# KiCad board cpu-blitter-inputs.kicad_pcb (continued)
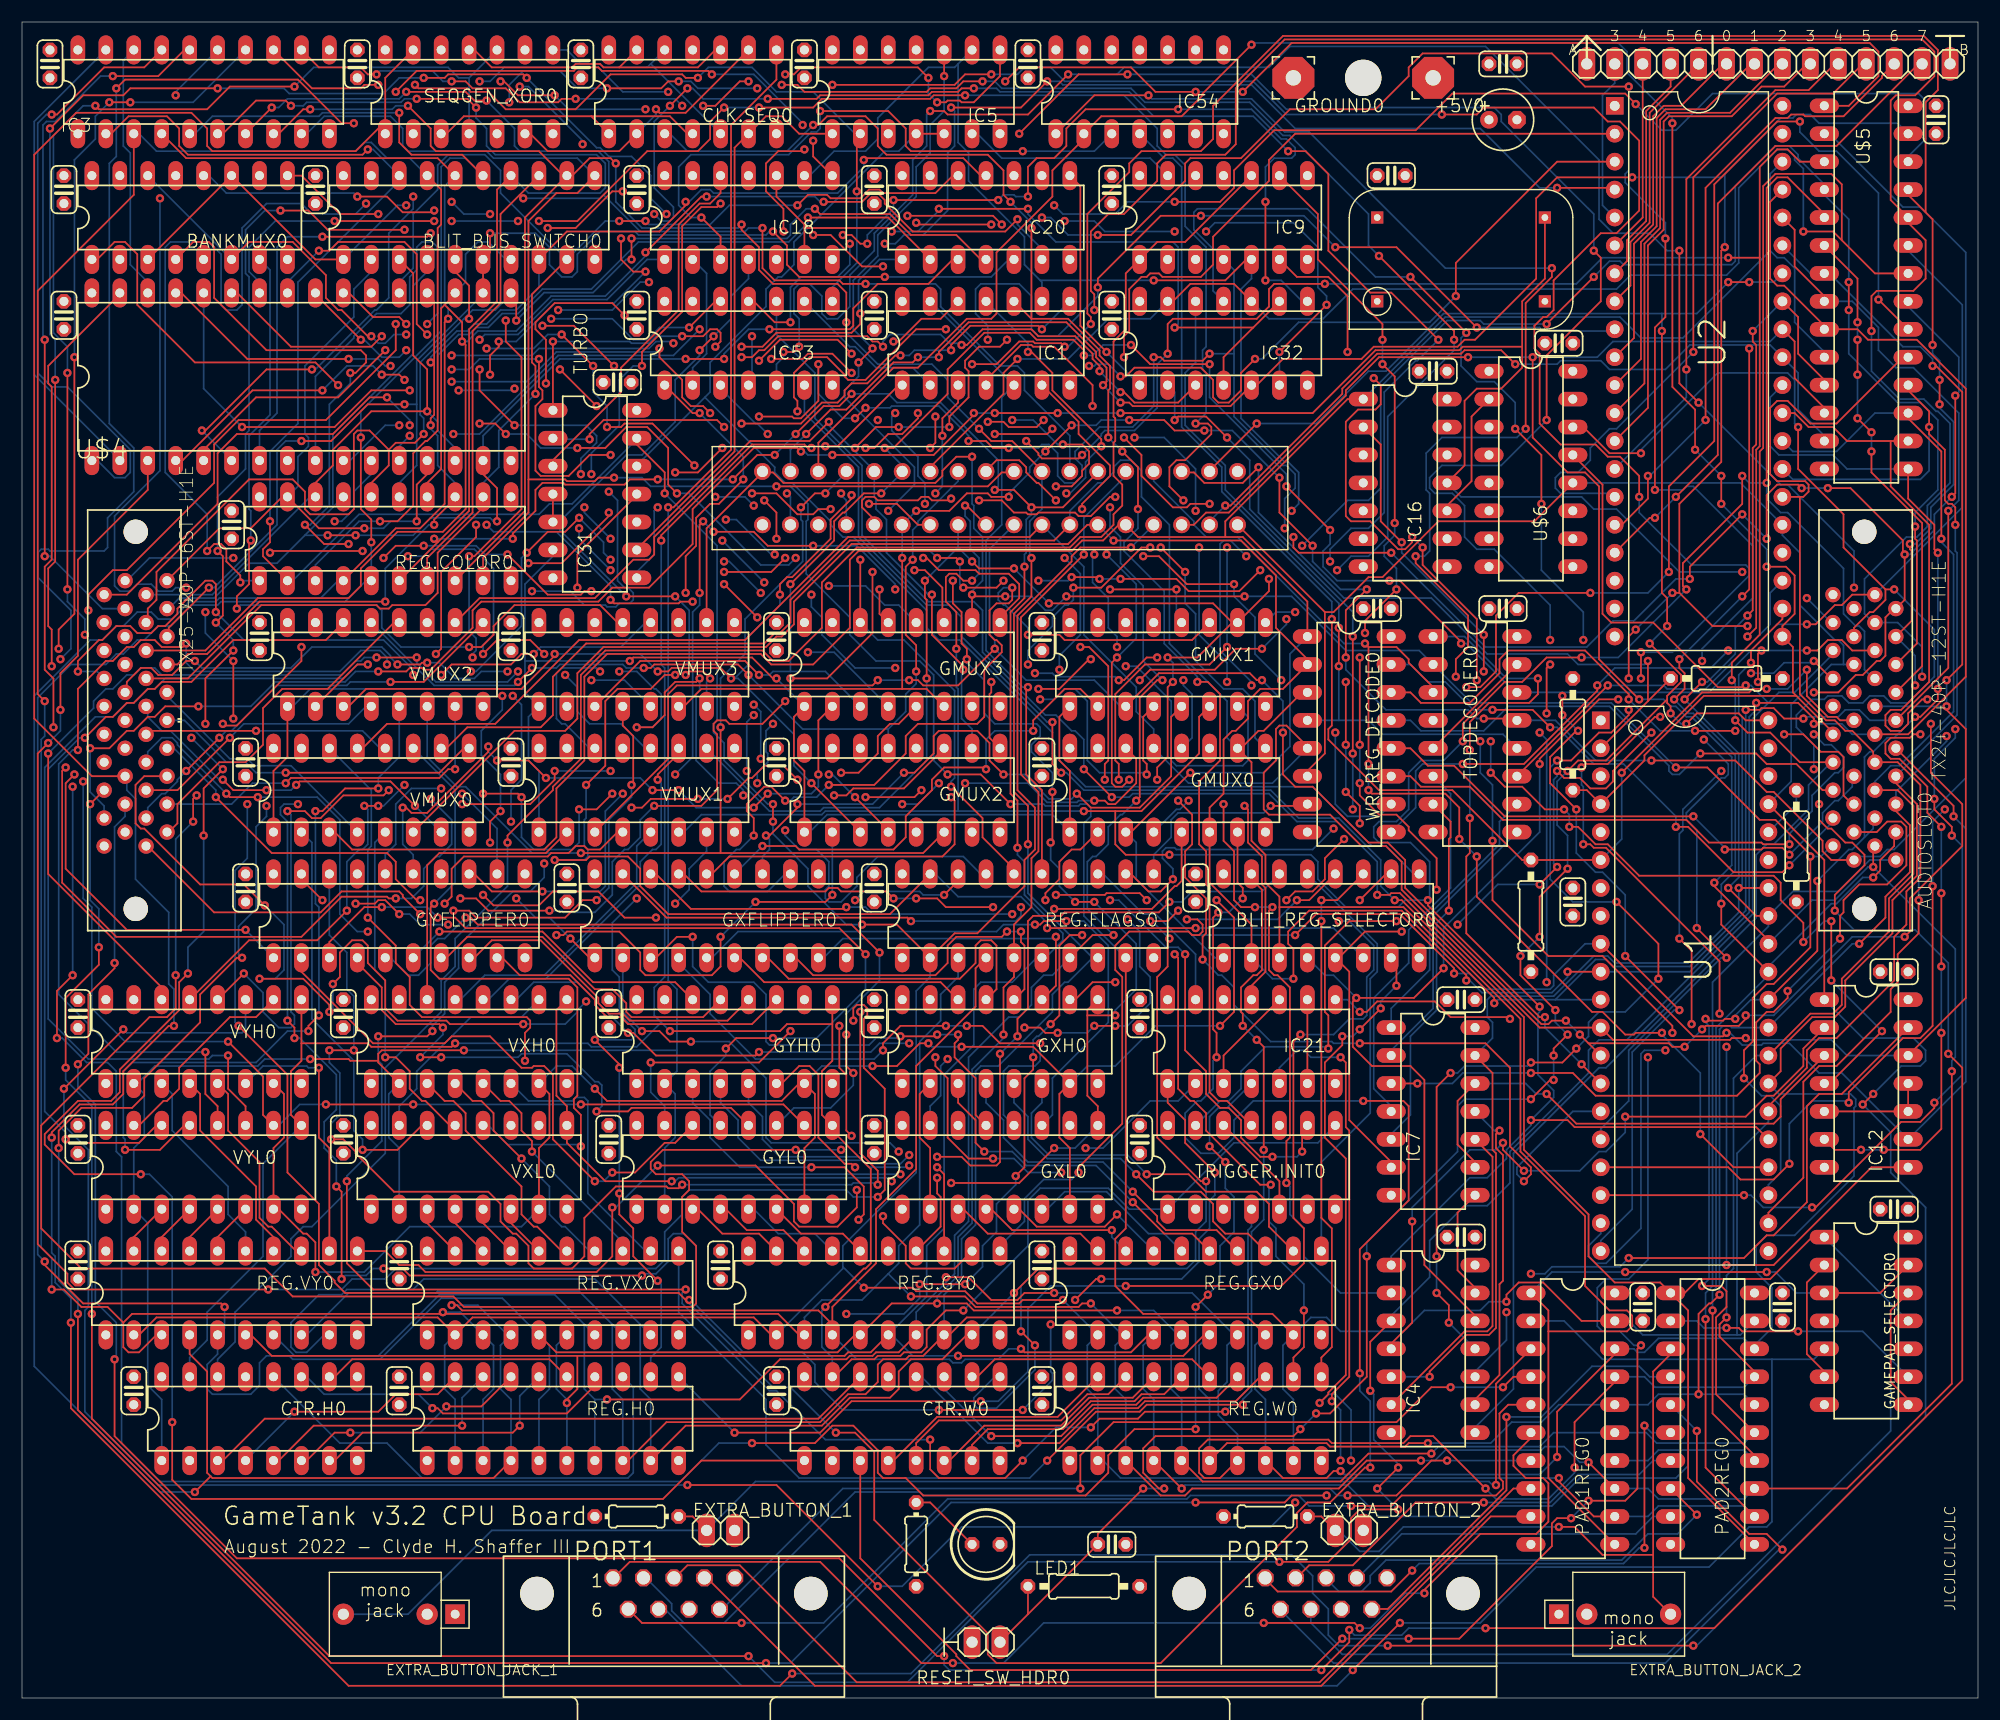
[diagram p0: board, top side]
## Nets (continued)
DD5: BLIT_BUS_SWITCH0.7 IC20.6 J2.35 REG.COLOR0.14 U$4.19
DD6: BLIT_BUS_SWITCH0.8 IC20.11 J2.34 REG.COLOR0.13 U$4.20
DD7: BLIT_BUS_SWITCH0.9 IC20.12 J2.33 REG.COLOR0.12 U$4.21
DMAMODE: BLIT_REG_SELECTOR0.6 IC18.4 IC31.4 IC31.5 REG.FLAGS0.19
GA14: GXFLIPPER0.12 U$4.3
GA15: GYFLIPPER0.12 U$4.31
GA16: IC3.19 U$4.2
GA17: IC3.18 U$4.30
GA18: IC3.17 U$4.1
GRAM_PAGE_SEL: IC3.11 WR_REG_DECODE0.10
GX-CARRY: GXH0.10 IC1.6
GX-CARRY?: GXL0.15 IC1.4
GY-CARRY: GYH0.10 IC1.11
GY-CARRY?: GYL0.15 IC1.12
IRQ: IC9.9 IC21.12
IRQ-ENABLE: IC21.13 REG.FLAGS0.13
N$1: GMUX0.4 U$4.12
N$2: GMUX0.7 U$4.11
N$3: GMUX0.9 U$4.10
N$4: GMUX0.12 U$4.9
N$5: GMUX1.4 U$4.8
N$6: GMUX1.7 U$4.7
N$7: GMUX1.9 U$4.6
N$8: GMUX2.4 U$4.5
N$9: GMUX2.7 U$4.27
N$10: GMUX2.9 U$4.26
N$11: GMUX2.12 U$4.23
N$12: GMUX3.4 U$4.25
N$13: GMUX3.7 U$4.4
N$14: GMUX3.9 U$4.28
N$15: IC18.11 VMUX1.14
N$16: IC31.1 IC32.3
N$17: GMUX1.12 U$4.29
N$18: GMUX3.12 U$4.24
N$19: GYL0.3 REG.GY0.19
N$20: GYL0.4 REG.GY0.18
N$21: GYL0.5 REG.GY0.17
N$22: GYL0.6 REG.GY0.16
N$23: GXH0.3 REG.GX0.15
N$24: GXH0.4 REG.GX0.14
N$25: GXH0.5 REG.GX0.13
N$26: GYH0.3 REG.GY0.15
N$27: GXL0.3 REG.GX0.19
N$28: GXL0.4 REG.GX0.18
N$29: GXL0.5 REG.GX0.17
N$30: GXL0.6 REG.GX0.16
N$31: GYH0.4 REG.GY0.14
N$32: GYH0.5 REG.GY0.13
N$33: IC18.3 IC54.3
N$34: IC12.8 IC53.11
N$35: REG.VY0.15 VYH0.3
N$36: REG.VY0.14 VYH0.4
N$37: REG.VY0.13 VYH0.5
N$37_2: IC7.5 TOPDECODER0.7
N$38: IC18.2 IC53.2
N$38_2: IC7.4 TOPDECODER0.6
N$39: IC1.8 IC31.2
N$39_2: TOPDECODER0.5 TOPDECODER0.15
N$40: IC18.13 IC21.8
N$41: IC5.8 REG.COLOR0.1
N$42: GXFLIPPER0.5 GXL0.11
N$43: GXFLIPPER0.4 GXL0.12
N$44: IC21.6 IC21.9
N$45: IC21.3 IC21.10
N$46: IC18.12 IC31.3
N$47: GXFLIPPER0.3 GXL0.13
N$48: GXFLIPPER0.2 GXL0.14
N$49: GXFLIPPER0.6 GXH0.14
N$50: BANKMUX0.4 VMUX1.13
N$51: CTR.H0.4 REG.H0.19
N$52: CTR.H0.5 REG.H0.18
N$53: CTR.H0.6 REG.H0.17
N$54: CTR.H0.7 REG.H0.16
N$55: CTR.H0.10 REG.H0.15
N$56: CTR.H0.11 REG.H0.14
N$57: CTR.H0.12 REG.H0.13
N$58: IC31.10 TRIGGER.INIT0.9
N$59: CTR.W0.4 REG.W0.19
N$60: CTR.W0.5 REG.W0.18
N$61: CTR.W0.6 REG.W0.17
N$62: CTR.W0.7 REG.W0.16
N$63: CTR.W0.10 REG.W0.15
N$64: CTR.W0.11 REG.W0.14
N$65: CTR.W0.12 REG.W0.13
N$66: IC20.8 IC32.1
N$67: BANKMUX0.7 VMUX3.13
N$68: GXFLIPPER0.7 GXH0.13
N$69: BANKMUX0.9 GMUX1.13
N$70: BANKMUX0.12 GMUX3.13
N$71: BLIT_REG_SELECTOR0.15 REG.VX0.11
N$72: GXFLIPPER0.8 GXH0.12
N$73: GYFLIPPER0.2 GYL0.14
N$74: GYFLIPPER0.3 GYL0.13
N$75: GYFLIPPER0.4 GYL0.12
N$76: GYFLIPPER0.5 GYL0.11
N$77: GYFLIPPER0.6 GYH0.14
N$78: GYFLIPPER0.7 GYH0.13
N$79: GYFLIPPER0.8 GYH0.12
N$80: GYFLIPPER0.1 IC53.4
N$81: GXFLIPPER0.1 IC53.12
N$82: IC9.4 IC31.8 TRIGGER.INIT0.13
N$83: REG.VX0.12 VXH0.6
N$84: REG.VY0.12 VYH0.6
N$85: GXFLIPPER0.9 GXH0.11
N$86: IC7.2 TOPDECODER0.9
N$87: CTR.W0.9 IC5.3
N$88: IC5.6 IC9.13
N$89: GYFLIPPER0.9 GYH0.11
N$90: IC7.1 TOPDECODER0.10
N$94: BLIT_REG_SELECTOR0.14 REG.VY0.11
N$96: BLIT_REG_SELECTOR0.13 REG.GX0.11
N$98: BLIT_REG_SELECTOR0.12 REG.GY0.11
N$100: IC4.13 IC7.8
N$101: IC4.9 IC7.11
N$102: IC7.9 IC7.12 IC12.3
N$103: U2.10 VIAPORT0.6
N$104: U2.11 VIAPORT0.7
N$105: U2.14 VIAPORT0.10
N$106: U2.15 VIAPORT0.11
N$107: U2.16 VIAPORT0.12
N$108: BLIT_REG_SELECTOR0.11 REG.W0.11
N$109: U2.17 VIAPORT0.13
N$110: U2.12 VIAPORT0.8
N$111: BLIT_REG_SELECTOR0.10 REG.H0.11
N$112: U2.13 VIAPORT0.9
N$113: REG.VY0.19 VYL0.3
N$114: REG.VY0.18 VYL0.4
N$115: REG.VY0.17 VYL0.5
N$116: REG.VY0.16 VYL0.6
N$117: REG.VX0.15 VXH0.3
N$118: REG.VX0.14 VXH0.4
N$119: REG.VX0.13 VXH0.5
N$120: U2.5 VIAPORT0.2
N$121: REG.VX0.19 VXL0.3
N$122: REG.VX0.18 VXL0.4
N$123: REG.VX0.17 VXL0.5
N$124: REG.VX0.16 VXL0.6
N$125: BLIT_REG_SELECTOR0.7 REG.COLOR0.11
N$126: U2.6 VIAPORT0.3
N$127: U2.7 VIAPORT0.4
N$128: U2.8 VIAPORT0.5
N$129: IC12.6 IC53.5
N$130: LED1.A R16.2
N$131: GAMEPAD_SELECTOR0.8 GAMEPAD_SELECTOR0.12
N$132: GAMEPAD_SELECTOR0.9 PAD2REG0.2 PORT2.7
N$133: GAMEPAD_SELECTOR0.2 GAMEPAD_SELECTOR0.6
N$134: GAMEPAD_SELECTOR0.5 PAD1REG0.2 PORT1.7
N$135: PAD1REG0.4 PORT1.9
N$136: PAD1REG0.5 PORT1.6
N$137: PAD1REG0.6 PORT1.1
N$138: PAD1REG0.7 PORT1.2
N$139: PAD1REG0.8 PORT1.3
N$140: PAD1REG0.9 PORT1.4
N$141: PAD2REG0.6 PORT2.1
N$142: PAD2REG0.7 PORT2.2
N$143: PAD2REG0.8 PORT2.3
N$144: PAD2REG0.9 PORT2.4
N$145: PAD2REG0.4 PORT2.9
N$146: PAD2REG0.5 PORT2.6
N$147: EXTRA_BUTTON_1.1 EXTRA_BUTTON_JACK_1.WAV PAD1REG0.3 R7.2
N$148: EXTRA_BUTTON_2.1 EXTRA_BUTTON_JACK_2.WAV PAD2REG0.3 R6.2
N$149: IC4.10 IC12.13
N$150: GXH0.6 REG.GX0.12
N$151: GYH0.6 REG.GY0.12
N$152: IC4.11 IC32.11
N$153: IC12.5 IC12.10 IC12.11
N$154: IC12.4 IC16.2
N$160: VMUX0.5 VXL0.13
N$161: VMUX0.11 VXL0.12
N$162: VMUX0.14 VXL0.11
N$163: VMUX1.2 VXH0.14
N$164: VMUX1.5 VXH0.13
N$165: VMUX1.11 VXH0.12
N$167: VMUX2.5 VYL0.13
N$168: VMUX2.11 VYL0.12
N$169: VMUX2.14 VYL0.11
N$170: VMUX3.2 VYH0.14
N$171: VMUX3.5 VYH0.13
N$172: VMUX3.11 VYH0.12
N$173: GMUX0.2 GXFLIPPER0.19
N$174: GMUX0.5 GXFLIPPER0.18
N$175: GMUX0.11 GXFLIPPER0.17
N$176: GMUX0.14 GXFLIPPER0.16
N$177: GMUX1.2 GXFLIPPER0.15
N$178: GMUX1.5 GXFLIPPER0.14
N$179: GMUX1.11 GXFLIPPER0.13
N$180: GMUX2.2 GYFLIPPER0.19
N$181: GMUX2.5 GYFLIPPER0.18
N$182: GMUX2.11 GYFLIPPER0.17
N$183: GMUX2.14 GYFLIPPER0.16
N$184: GMUX3.2 GYFLIPPER0.15
N$185: GMUX3.5 GYFLIPPER0.14
N$186: GMUX3.11 GYFLIPPER0.13
N$222: BLIT_BUS_SWITCH0.19 IC18.8
OFFSCR_X: IC21.2 VXH0.11
OFFSCR_Y: IC21.5 VYH0.11
P0: CLK.SEQ0.11 CTR.W0.1
P1: CLK.SEQ0.8 CTR.H0.1 GXH0.2 GXL0.2 GYH0.2 GYL0.2 VXH0.2 VXL0.2 VYH0.2 VYL0.2
P2: CLK.SEQ0.6 IC5.1 IC31.9
P3: CLK.SEQ0.3 IC1.10 TRIGGER.INIT0.11
R/~{W}: IC4.5 IC7.13 U1.34 U2.22
RAM_PG_0: IC3.13 U$5.26
RAM_PG_1: IC3.12 U$5.1
READY: R1.1 U1.2 U$3.P$34
ROWCOMPLETE: GYL0.10 IC5.2 IC53.8 VYL0.10
RUNNING: GXH0.7 GXL0.7 GYH0.7 GYL0.7 IC1.9 IC5.9 IC9.5 IC18.9 VXH0.7 VXL0.7 VYH0.7 VYL0.7
SEQGEN_HIGH: CLK.SEQ0.2 CLK.SEQ0.9 SEQGEN_XOR0.6
SEQGEN_LOW: CLK.SEQ0.1 CLK.SEQ0.4 SEQGEN_XOR0.3
SPI_CLK: U2.2 U$3.P$5
SPI_MISO: U2.9 U$3.P$3
SPI_MOSI: U2.3 U$3.P$4
TRIGGER-FLAG: TRIGGER.INIT0.5 TRIGGER.INIT0.12
TRIGGER-SELECT: BLIT_REG_SELECTOR0.9 IC5.4 IC5.5 IC31.12
V/_G: BANKMUX0.1 REG.FLAGS0.14
VA0: J2.32 VMUX0.4
VA1: J2.31 VMUX0.7
VA2: J2.30 VMUX0.9
VA3: J2.29 VMUX0.12
VA4: J2.28 VMUX1.4
VA5: J2.27 VMUX1.7
VA6: J2.26 VMUX1.9
VA7: J2.25 VMUX2.4
VA8: J2.24 VMUX2.7
VA9: J2.23 VMUX2.9
VA10: J2.22 VMUX2.12
VA11: J2.21 VMUX3.4
VA12: J2.20 VMUX3.7
VA13: J2.19 VMUX3.9
VG_OE: BANKMUX0.6 BANKMUX0.14 IC32.8
VG_WE: BANKMUX0.3 BANKMUX0.11 BLIT_BUS_SWITCH0.1 IC32.6
VID_OUT_PAGE: J2.17 REG.FLAGS0.18
VIDFLAGS: REG.FLAGS0.11 WR_REG_DECODE0.7
VNMI: IC18.1 J2.10
VNMI_ENABLE: IC53.1 REG.FLAGS0.17
VRAMBANK: IC3.16 J2.18
VX-CARRY: VXH0.10 VXL0.15
VY-CARRY: VYH0.10 VYL0.15
W/~{R}: IC4.6 IC7.10
XDIR: IC53.13 REG.W0.12
XODD: VMUX0.2 VXL0.14
YDIR: IC53.3 REG.H0.12
YODD: VMUX2.2 VYL0.14
~{AUD_NMI}: AUDIOSLOT0.16 WR_REG_DECODE0.14
~{CLK7}: IC4.4 IC12.2
~{CLK28}: IC16.10 U$6.2
~{COPYDONE}: CTR.H0.14 IC9.1 IC9.10
~{DIRECT-SELECT}: IC18.6 IC18.10 IC32.4 IC32.9
~{DMAMODE}: GMUX0.1 GMUX1.1 GMUX2.1 GMUX3.1 IC31.6 VMUX0.1 VMUX1.1 VMUX2.1 VMUX3.1
~{GAMEPAD1R}: GAMEPAD_SELECTOR0.3 GAMEPAD_SELECTOR0.13 IC53.6 PAD1REG0.1 PAD1REG0.11
~{GAMEPAD2R}: GAMEPAD_SELECTOR0.1 GAMEPAD_SELECTOR0.11 IC53.10 PAD2REG0.1 PAD2REG0.11
~{INIT}: CTR.H0.15 CTR.W0.15 GYH0.9 GYL0.9 IC1.1 TRIGGER.INIT0.1 TRIGGER.INIT0.8 VYH0.9 VYL0.9
~{IRQ-OUT}: IC21.11 IC54.1
~{IRQ}: AUDIOSLOT0.11 IC54.2 R4.2 U1.4 U2.21 U$3.P$21
~{NMI}: AUDIOSLOT0.10 IC54.4 R3.2 U1.6
~{RAMSEL}: TOPDECODER0.4 U$5.20
~{RE2}: AUDIOSLOT0.13 IC4.8 IC32.10 IC32.13 U$3.P$25 U$5.22
~{REGSSEL}: IC32.12 TOPDECODER0.12 WR_REG_DECODE0.4
~{RESET}: C47.1 R2.2 RESET_SW_HDR0.2 U1.40 U2.34 U$3.P$35
~{ROWCOMPLETE}: CTR.H0.3 CTR.W0.14 IC1.2 IC53.9
~{RUNNING}: CTR.W0.3 IC9.6
~{SEQGEN_HIGH}: CLK.SEQ0.5 CLK.SEQ0.12 SEQGEN_XOR0.8
~{SEQGEN_LOW}: CLK.SEQ0.10 CLK.SEQ0.13 SEQGEN_XOR0.11
~{SPI_CS}: U2.4 U$3.P$2
~{TILEMODE}: IC1.5 IC1.13 REG.FLAGS0.15
~{TRANSEN}: IC32.2 REG.FLAGS0.12
~{TRIGGER}: IC31.11 TRIGGER.INIT0.4
~{VIASEL}: TOPDECODER0.11 U2.23
~{VID_SEL}: BLIT_REG_SELECTOR0.5 IC7.6 IC18.5
~{VOE}: J2.13 VMUX3.12
~{VWE}: J2.12 VMUX1.12
~{WAV_SEL}: AUDIOSLOT0.18 IC7.3
~{WE2}: AUDIOSLOT0.12 BLIT_REG_SELECTOR0.4 IC4.12 IC32.5 U$3.P$20 U$5.27
~{WRAP_X}: IC3.15 IC21.1
~{WRAP_Y}: IC3.14 IC21.4
~{XRELOAD}: GXH0.9 GXL0.9 IC1.3 VXH0.9 VXL0.9

Pads without a net: AUDIOSLOT0 8 41 42; EXTRA_BUTTON_JACK_1 SW; EXTRA_BUTTON_JACK_2 SW; GXH0 15; GYH0 15; IC5 11 12 13; IC9 8; IC16 3 4 5 6 8 9 12 13; IC20 9 10 13; IC54 5 6 8 9 10 11 12 13; J2 7 8 9 11 14 15 16 41 42; TRIGGER.INIT0 6; U1 1 3 5 7 35 39; U2 18 19 39 40; U$2 P$1; U$6 11 15; VXH0 15; VYH0 15

## Via types
v1: diameter 0.756, hole 0.35, Top to Bottom, 1509 vias

## Routing (per net, layer and track width the routed paths; a pad name or vN(x,y) marks a point on that pad's centre or on a via; arc(x,y) is an arc through that point)
_CARTSEL: length 99.1
  Top w0.152: v1(109.22,81.28) 109.22,77.95 110.17,76.99 110.17,72.55 110.81,71.91 v1(112.08,71.91) ; v1(93.98,108.9) 92.39,110.49 92.23,110.49 91.28,111.44 91.28,111.92 90.65,112.55 88.58,112.55 87.63,111.6 U$3.P$27 ; v1(113.66,71.91) 113.35,71.6 113.35,66.2 113.82,65.72 114.14,65.72 115.25,64.61 115.25,50.96 114.94,50.64 v1(114.94,46.83)
  In1.Cu w0.152: v1(93.98,108.9) 93.98,106.52 94.93,105.57 95.88,105.57 v1(97.47,103.98)
  In2.Cu w0.152: v1(109.22,81.28) 109.22,83.82 104.14,88.9 104.14,90.96 v1(99.54,95.57)
  Bottom w0.152: v1(112.08,71.91) v1(113.66,71.91) ; v1(99.54,95.57) 99.54,96.52 98.74,97.31 98.74,100.01 97.31,101.44 97.31,103.82 v1(97.47,103.98) ; IC4.2 119.86,36.83 116.52,40.16 116.52,42.7 115.25,43.97 115.25,46.51 v1(114.94,46.83)
A0: length 366.5
  Top w0.152: v1(175.58,80.17) 175.58,81.12 170.34,86.36 AUDIOSLOT0.32 ; WR_REG_DECODE0.1 116.84,99.69 110.97,105.57 109.38,105.57 ; v1(130.18,65.88) 130.18,66.36 125.25,71.28 117.63,71.28 v1(115.73,69.37) ; v1(106.2,84.14) 100.81,78.74 GMUX0.3 ; 109.38,105.57 109.38,107 120.49,118.11 IC16.1 ; 109.38,105.57 101.44,105.57 U$3.P$14 99.69,106.68 98.27,105.25 96.36,105.25 95.41,104.3 76.04,104.3 75.25,103.5 75.25,97.31 71.91,93.98 68.1,93.98 67.15,94.93 53.18,94.93 51.12,92.87 51.12,85.25 48.58,82.71 48.58,78.26 47.47,77.15 30,77.15 28.42,78.74 VMUX0.3 ; U1.9 151.92,60.17 154.62,60.17 v1(154.94,60.48)
  Bottom w0.152: 106.36,69.37 v1(115.73,69.37) ; 106.36,69.37 108.43,67.31 BLIT_REG_SELECTOR0.1 ; 106.36,69.37 101.28,74.45 101.28,77.79 GMUX0.3 ; U$5.10 163.83,122.4 161.13,125.09 161.13,130.02 160.18,130.97 159.54,130.97 158.91,131.6 ; v1(130.18,65.88) 131.6,65.88 133.03,64.45 138.91,64.45 139.22,64.77 139.22,65.72 142.08,68.58 U1.9 ; U2.38 158.91,138.59 158.91,131.6 ; 158.91,131.6 150.97,123.67 147.16,123.67 145.26,125.57 129.38,125.57 IC16.1 ; v1(154.94,60.48) 155.26,60.48 156.37,59.37 158.12,59.37 158.27,59.53 160.66,59.53 163.35,56.83 165.42,56.83 IC12.9 176.69,56.04 176.69,79.06 v1(175.58,80.17) ; v1(106.2,84.14) 112.87,84.14 115.25,86.52 115.25,94.93 WR_REG_DECODE0.1
A1: length 295.4
  Top w0.152: VMUX0.6 44.77,87.95 49.37,87.95 50.48,89.06 50.48,93.19 52.86,95.57 67.63,95.57 68.58,96.52 69.06,96.52 70.17,97.63 70.17,99.69 75.41,104.93 95.09,104.93 96.84,106.68 U$3.P$13 ; v1(115.57,65.41) 115.57,68.1 115.09,68.58 115.09,69.69 117,71.6 125.41,71.6 131.29,65.72 v1(131.29,65.25) ; v1(99.22,105.25) 110.81,105.25 113.98,102.08 113.98,97.31 116.84,94.46 WR_REG_DECODE0.2 114.62,91.76 112.55,91.76 111.44,90.65 111.44,89.06 110.33,87.95 110.01,87.95 109.22,87.15 109.22,82.23 107.95,80.96 GMUX0.6 107.95,74.14 111.76,70.33 BLIT_REG_SELECTOR0.2 ; v1(157.64,90.49) 161.45,90.49 162.88,89.06 v1(162.88,88.58) ; v1(140.49,66.04) U1.10 ; AUDIOSLOT0.31 171.45,87.63 176.69,92.87 176.69,119.06 172.24,123.51 167.8,123.51 166.85,124.46 U$5.9 163.83,124.78 160.18,128.43 159.54,128.43 158.91,129.06 158.91,136.05 U2.37
  Bottom w0.152: v1(131.29,65.25) 131.6,65.25 132.72,64.13 139.06,64.13 140.49,65.56 v1(140.49,66.04) ; U$3.P$13 v1(99.22,105.25) ; v1(115.57,65.41) 113.66,65.41 BLIT_REG_SELECTOR0.2 ; v1(162.88,88.58) 165.42,88.58 166.37,87.63 AUDIOSLOT0.31 ; U1.10 151.61,66.04 157,71.44 157,89.22 157.64,89.85 v1(157.64,90.49)
A2: length 281.7
  Top w0.152: 110.65,86.2 GMUX0.10 ; 110.65,86.2 111.76,85.09 111.76,77.95 113.03,76.68 113.03,74.14 114.3,72.87 114.3,71.91 ; 110.65,86.2 112.4,87.95 112.87,87.95 116.36,91.44 WR_REG_DECODE0.3 ; U$5.8 163.83,127.48 161.13,130.18 161.13,133.51 U2.36 ; 114.3,71.91 BLIT_REG_SELECTOR0.3 ; 114.3,71.91 125.57,71.91 133.83,63.66 v1(133.83,63.18) ; U$3.P$12 93.82,105.25 75.25,105.25 69.85,99.85 69.85,97.79 68.9,96.84 68.42,96.84 67.47,95.88 51.28,95.88 48.26,92.87 48.26,89.38 47.15,88.27 40.48,88.27 38.58,86.36 VMUX0.10 ; v1(175.1,107.95) 175.1,93.66 170.34,88.9 AUDIOSLOT0.30 ; v1(156.69,89.85) 157.96,89.85 158.12,90.01 159.23,90.01 160.18,89.06 v1(161.93,89.06)
  Bottom w0.152: U$5.8 166.37,127 168.75,124.62 168.75,122.55 170.34,120.97 171.93,120.97 176.05,116.84 176.05,108.9 v1(175.1,107.95) ; v1(156.69,89.85) 156.69,71.6 151.61,66.52 144.62,66.52 143.99,67.15 143.03,67.15 139.38,63.5 ; 139.38,63.5 134.14,63.5 v1(133.83,63.18) ; 139.38,63.5 U1.11 ; AUDIOSLOT0.30 167.96,88.9 167,89.85 165.73,89.85 165.1,89.22 162.08,89.22 v1(161.93,89.06) ; U$3.P$12 95.25,107.95 97.79,110.49 98.27,110.49 99.22,111.44 99.22,111.92 99.85,112.55 100.81,112.55 101.76,111.6 101.76,109.22 104.3,106.68 104.3,95.88 109.54,90.65 109.54,87.31 GMUX0.10
A3: length 285.5
  Top w0.152: v1(156.69,60.01) 155.42,60.01 155.26,59.85 144.62,59.85 U1.12 137.95,60.96 125.41,73.5 125.41,76.04 123.98,77.47 121.76,77.47 118.9,80.33 113.35,80.33 112.87,80.8 112.87,84.14 113.98,85.25 113.98,88.11 114.3,88.42 114.94,88.42 116.84,86.52 WR_REG_DECODE0.5 ; U$3.P$11 91.6,105.57 75.09,105.57 65.72,96.2 50.64,96.2 43.02,88.58 33.18,88.58 30.96,86.36 VMUX0.13 ; v1(173.67,121.13) 173.99,121.13 176.37,118.75 176.37,93.98 v1(174.94,92.55) ; v1(174.94,90.17) 174.94,89.85 176.69,88.11 176.69,63.66 IC12.12
  Bottom w0.152: U2.35 162.56,129.54 U$5.7 164.31,129.54 170.97,122.87 172.56,122.87 173.67,121.76 v1(173.67,121.13) ; U$3.P$11 96.52,102.87 96.52,96.68 101.28,91.92 101.28,89.69 102.87,88.11 GMUX0.13 106.04,83.18 113.66,83.18 WR_REG_DECODE0.5 ; v1(174.94,92.55) v1(174.94,90.17) AUDIOSLOT0.29 ; v1(156.69,60.01) 156.84,59.85 164.47,59.85 165.89,58.42 IC12.12
A4: length 243.7
  Top w0.152: U$5.6 166.85,129.06 v1(166.85,125.09) ; v1(173.51,88.58) 173.51,84.14 176.37,81.28 176.37,77.47 171.61,72.71 171.61,69.69 v1(171.13,69.21) ; v1(168.12,115.09) v1(166.85,116.36) ; v1(112.71,92.55) 112.24,92.55 111.6,93.19 103.35,93.19 GMUX1.3 ; v1(166.85,120.33) v1(166.85,123.51) ; v1(152.72,60.8) 153.03,61.12 156.05,61.12 156.69,61.75 v1(156.69,62.07) ; v1(88.42,95.41) 85.09,92.07 81.91,92.07 81.44,92.55 v1(80.65,92.55) ; v1(168.12,113.35) 168.12,111.44 172.72,106.84 172.72,93.82 170.34,91.44 AUDIOSLOT0.28 ; v1(141.6,60.32) 142.4,59.53 ; 142.4,59.53 149.7,59.53 150.02,59.21 v1(151.13,59.21) ; 142.4,59.53 U1.13 ; v1(140.34,61.59) 139.06,61.59 138.75,61.28 138.11,61.28 125.73,73.66 125.73,76.2 124.14,77.79 122.4,77.79 117.32,82.87 115.73,82.87 114.62,83.98 v1(114.62,87.79) ; v1(77.79,92.55) 77.31,92.07 59.53,92.07 58.74,91.28 58.74,85.41 VMUX1.3
  In1.Cu w0.152: AUDIOSLOT0.28 170.81,91.44 173.51,88.74 v1(173.51,88.58)
  Bottom w0.152: v1(156.69,62.07) 159.23,62.07 166.37,69.21 v1(171.13,69.21) ; v1(112.71,92.55) 114.62,90.65 v1(114.62,87.79) ; v1(166.85,123.51) v1(166.85,125.09) ; v1(140.34,61.59) v1(141.6,60.32) ; v1(168.12,113.35) v1(168.12,115.09) ; v1(151.13,59.21) v1(152.72,60.8) ; GMUX1.3 99.85,90.17 97.47,92.55 91.28,92.55 v1(88.42,95.41) 88.42,96.2 87.95,96.68 87.95,104.46 U$3.P$10 ; v1(80.65,92.55) v1(77.79,92.55) ; v1(166.85,116.36) v1(166.85,120.33)
A5: length 270.7
  Top w0.152: 99.38,80.64 99.38,77.63 100.33,76.68 v1(104.3,76.68) ; 99.38,80.64 v1(96.52,80.64) ; 99.38,80.64 101.76,80.64 107,85.88 107,89.22 GMUX1.6 ; v1(156.37,111.12) 156.37,108.58 150.97,103.19 150.97,101.12 v1(151.29,100.81) ; v1(141.76,94.61) 138.59,94.61 136.37,92.39 134.78,92.39 130.97,88.58 v1(130.97,86.99) ; v1(158.59,110.49) 158.59,137.32 159.54,138.27 160.5,138.27 163.83,134.94 U$5.5 ; v1(127.79,72.55) 127.79,72.07 137.95,61.91 v1(138.43,61.91) ; v1(85.72,108.43) 85.88,108.43 U$3.P$9 ; v1(141.76,57.63) U1.14 ; v1(84.93,95.41) 84.93,98.74 83.98,99.69 83.98,101.92 84.3,102.23 84.93,102.23 85.57,101.6 v1(86.36,101.6)
  Bottom w0.152: VMUX1.6 60.17,78.74 61.75,80.33 72.71,80.33 73.03,80.64 85.09,80.64 ; v1(151.29,100.81) 145.1,94.61 v1(141.76,94.61) ; v1(156.37,111.12) 157,110.49 v1(158.59,110.49) 158.59,109.06 159.86,107.79 160.5,107.79 165.58,102.71 165.58,98.58 166.69,97.47 167,97.47 167.48,97 167.48,93.5 168.28,92.71 AUDIOSLOT0.27 ; v1(130.97,86.99) 129.22,85.25 127.16,85.25 126.05,84.14 126.05,80.8 124.94,79.69 123.35,79.69 122.87,79.22 122.87,78.26 123.35,77.79 126.21,77.79 127.95,76.04 127.95,72.71 v1(127.79,72.55) 125.73,72.55 125.09,71.91 120.33,71.91 117.79,74.45 117.79,76.04 117.16,76.68 v1(104.3,76.68) ; v1(138.43,61.91) 138.43,60.96 v1(141.76,57.63) ; v1(96.52,80.64) 85.09,80.64 ; 85.09,80.64 85.09,91.76 84.93,91.92 v1(84.93,95.41) ; v1(85.72,108.43) 85.72,107.47 86.2,107 86.2,104.46 87,103.66 87,102.23 v1(86.36,101.6)
A6: length 303.1
  Top w0.152: v1(121.6,59.53) 133.03,59.53 135.25,57.31 135.25,50.16 137.16,48.26 137.16,47.62 v1(136.53,46.99) ; v1(93.34,99.54) 108.27,99.54 110.01,97.79 ; v1(107.31,67.15) 107.31,69.21 107.63,69.53 107.63,72.71 105.73,74.61 105.73,76.99 106.36,77.63 106.36,80.33 v1(105.09,81.6) ; v1(113.35,101.76) 113.35,100.65 GMUX1.10 110.01,97.79 ; v1(90.17,102.71) 87,102.71 v1(86.36,103.35) ; v1(166.05,126.21) v1(166.05,128.75) ; v1(172.09,106.52) 172.09,105.41 172.24,105.25 172.24,95.88 170.34,93.98 AUDIOSLOT0.26 ; v1(104.14,94.61) 106.84,94.61 110.01,97.79 ; v1(82.23,92.71) 82.23,99.85 82.07,100.01 v1(82.07,101.6) ; v1(103.19,83.5) 103.19,84.61 104.14,85.57 104.14,91.92 v1(104.62,92.39) ; v1(138.59,124.94) v1(142.88,129.22)
  In1.Cu w0.152: v1(103.19,83.5) v1(105.09,81.6) ; v1(113.35,101.76) v1(116.36,104.77)
  Bottom w0.152: U1.15 140.97,53.34 135.89,48.26 135.89,47.62 v1(136.53,46.99) ; v1(166.05,128.75) 166.05,134.46 163.83,136.68 U$5.4 163.83,137.64 161.45,140.02 161.45,140.33 160.66,141.13 159.38,141.13 155.73,137.48 155.73,130.65 155.42,130.33 145.57,130.33 145.26,130.65 144.3,130.65 v1(142.88,129.22) ; v1(104.14,94.61) 104.62,94.14 v1(104.62,92.39) ; v1(172.09,106.52) 172.09,107.79 174.15,109.85 174.15,116.2 172.56,117.79 170.5,117.79 166.05,122.24 v1(166.05,126.21) ; v1(138.59,124.94) 132.87,124.94 132.56,125.25 129.54,125.25 123.51,119.22 123.51,110.01 122.4,108.9 120.49,108.9 v1(116.36,104.77) ; U$3.P$8 85.09,104.62 ; 85.09,104.62 v1(86.36,103.35) ; 85.09,104.62 v1(82.07,101.6) ; v1(82.23,92.71) 82.23,85.25 77.95,80.96 72.87,80.96 72.55,80.64 67.94,80.64 VMUX1.10 ; v1(121.6,59.53) 119.22,59.53 119.06,59.69 113.51,59.69 110.17,63.02 110.17,64.61 109.06,65.72 108.74,65.72 v1(107.31,67.15) ; v1(90.17,102.71) v1(93.34,99.54)
A7: length 298.4
  Top w0.152: 157.96,130.97 157.96,113.82 157.64,113.51 157.64,97.31 v1(156.84,96.52) ; 157.96,130.97 157.96,139.22 159.54,140.81 160.5,140.81 161.61,139.7 U$5.3 ; 157.96,130.97 v1(155.1,130.97) ; v1(157.8,92.39) 157.8,94.93 v1(158.12,95.25) ; GMUX2.3 v1(71.75,83.18) ; v1(104.14,122.24) 104.14,124.94 104.62,125.41 112.24,125.41 113.35,126.52 113.35,128.11 113.82,128.59 v1(118.43,128.59) ; v1(64.45,92.71) 63.5,93.66 59.05,93.66 58.74,93.34 v1(57.78,93.34) ; v1(152.24,70.01) v1(154.94,67.31) ; U$3.P$7 81.44,106.68 79.53,108.58 v1(76.99,108.58) ; AUDIOSLOT0.25 166.37,95.25 165.42,96.2 164.15,96.2 163.19,95.25 v1(162.24,95.25) ; v1(75.41,109.38) 75.41,109.06 73.5,107.16 73.5,105.41 70.01,101.92 69.53,101.92 68.9,101.28 v1(68.9,100.33) ; VMUX2.3 29.69,90.17 31.27,91.76 45.4,91.76 48.42,94.77 v1(48.42,94.93) ; v1(96.36,113.03) 96.04,112.71 92.71,112.71 92.39,113.03 92.39,113.19 v1(91.28,114.3)
  In1.Cu w0.152: v1(75.41,109.38) 76.2,109.38 v1(76.99,108.58) ; v1(157.8,92.39) 157.8,92.07 v1(152.88,87.15)
  In2.Cu w0.152: U$3.P$7 83.03,106.68 86.52,110.17 87.79,110.17 89.06,111.44 89.06,112.08 v1(91.28,114.3) ; v1(158.12,95.25) v1(156.84,96.52)
  Bottom w0.152: v1(68.9,100.33) 68.9,99.38 66.04,96.52 66.04,93.98 64.77,92.71 ; 64.77,92.71 65.09,92.71 70.17,87.63 70.17,84.77 v1(71.75,83.18) ; 64.77,92.71 v1(64.45,92.71) ; v1(155.1,130.97) 143.67,130.97 141.29,128.59 v1(118.43,128.59) ; v1(57.78,93.34) 56.2,94.93 v1(48.42,94.93) ; v1(152.88,87.15) 155.1,84.93 155.1,83.98 154.78,83.66 154.46,83.66 151.29,80.49 151.29,79.85 152.24,78.9 v1(152.24,70.01) ; v1(162.24,95.25) v1(158.12,95.25) ; v1(96.36,113.03) 98.11,114.78 98.11,114.93 98.43,115.25 101.12,115.25 103.19,117.32 103.19,121.28 v1(104.14,122.24) ; U1.16 143.51,51.75 146.05,54.29 146.05,58.9 154.46,67.31 v1(154.94,67.31)
A8: length 361
  Top w0.152: U$5.25 171.45,136.68 173.04,135.1 ; v1(174.31,117.63) v1(174.31,119.86) ; 63.5,76.83 v1(50.8,76.83) ; 63.5,76.83 v1(63.5,88.27) ; 63.5,76.83 81.91,76.83 GMUX2.6 ; v1(97.16,124.94) 97.16,125.57 96.84,125.89 96.84,134.94 100.65,138.75 100.65,139.54 101.76,140.65 107.16,140.65 108.27,141.76 108.27,144.78 114.62,151.13 172.88,151.13 174.15,149.86 174.15,146.21 173.04,145.1 173.04,135.1 ; v1(76.68,113.66) 77.47,113.66 78.74,114.93 80.01,114.93 81.44,116.36 v1(81.44,116.84) ; v1(160.66,48.58) 159.23,47.15 156.21,47.15 155.1,48.26 U1.17 ; v1(173.67,123.03) 173.67,134.46 173.04,135.1 ; v1(73.03,109.54) 72.07,109.54 v1(70.8,108.27) ; v1(173.67,73.82) 173.67,61.12 172.56,60.01 170.97,60.01 166.05,55.09 v1(166.05,54.13) ; v1(171.61,104.93) 171.61,104.46 171.77,104.3 171.77,97.95 170.34,96.52 AUDIOSLOT0.24 ; v1(94.77,122.87) 94.46,123.19 92.07,123.19 91.92,123.35 90.65,123.35 88.58,121.28 v1(86.36,121.28)
  In1.Cu w0.152: v1(86.36,121.28) 86.36,118.9 83.34,115.89 82.71,115.89 81.76,116.84 v1(81.44,116.84) ; U$3.P$22 74.93,111.92 v1(76.68,113.66)
  In2.Cu w0.152: v1(174.78,80.8) 174.78,86.36 172.72,88.42 172.72,90.33 172.09,90.96 v1(172.09,92.07)
  Bottom w0.152: v1(50.8,76.83) 46.36,76.83 40.32,82.87 39.53,82.87 36.83,85.57 VMUX2.6 ; v1(174.31,117.63) 174.31,117.32 175.58,116.05 175.58,110.33 173.51,108.27 173.51,106.36 172.09,104.93 v1(171.61,104.93) ; v1(173.67,73.82) 173.67,79.69 v1(174.78,80.8) ; v1(160.66,48.58) 160.66,52.23 162.72,54.29 165.89,54.29 v1(166.05,54.13) ; v1(70.8,108.27) 70.8,107.16 70.96,107 70.96,103.35 65.72,98.11 65.72,94.93 63.5,92.71 v1(63.5,88.27) ; AUDIOSLOT0.24 170.34,96.52 172.09,94.77 v1(172.09,92.07) ; U$3.P$22 74.93,111.44 v1(73.03,109.54) ; v1(97.16,124.94) 95.09,122.87 v1(94.77,122.87) ; v1(173.67,123.03) 173.67,122.24 174.31,121.6 v1(174.31,119.86)
A9: length 358.4
  Top w0.152: v1(73.34,116.05) 71.6,114.3 66.2,114.3 57.47,105.57 57.47,103.98 56.99,103.5 55.56,103.5 52.07,100.01 41.59,100.01 VMUX2.10 ; v1(84.3,115.57) 84.3,116.52 86.04,118.27 86.04,120.65 85.72,120.97 85.72,121.6 87,122.87 88.9,122.87 v1(89.53,123.51) ; v1(173.83,81.76) 173.83,80.8 175.42,79.22 v1(175.42,78.42) ; v1(75.72,113.66) 77.63,115.57 v1(79.69,115.57) ; v1(85.57,93.5) 85.57,93.82 82.71,96.68 v1(82.71,100.33) ; v1(156.53,45.72) U1.18 ; v1(97.47,126.21) 97.47,127.63 97.16,127.95 97.16,133.35 98.74,134.94 100.17,134.94 103.19,137.95 103.19,139.54 103.98,140.33 109.38,140.33 110.33,141.29 110.33,146.37 114.78,150.81 172.72,150.81 173.83,149.7 173.83,147.48 172.09,145.73 170.34,145.73 169.86,145.26 169.86,136.21 U$5.24 171.45,134.14 173.04,132.56 173.04,129.06 171.93,127.95 168.59,127.95 168.12,127.48 v1(168.12,124.3) ; v1(162.72,44.61) 163.04,44.61 170.81,52.39 172.56,52.39 173.83,53.66 v1(173.83,54.13)
  In1.Cu w0.152: v1(97.47,126.21) 94.77,123.51 v1(89.53,123.51) ; v1(172.72,92.87) 172.72,91.76 172.56,91.6 172.56,90.49 172.88,90.17 173.67,90.17 v1(175.74,88.11)
  Bottom w0.152: v1(173.83,81.76) 173.83,85.41 175.74,87.31 v1(175.74,88.11) ; 75.56,113.51 77.47,111.6 U$3.P$23 77.47,109.22 77.63,109.06 77.63,108.11 78.58,107.16 78.58,104.14 82.39,100.33 v1(82.71,100.33) ; 75.56,113.51 v1(75.72,113.66) ; 75.56,113.51 73.34,115.73 v1(73.34,116.05) ; v1(84.3,115.57) v1(79.69,115.57) ; v1(162.72,44.61) 158.27,44.61 157.16,45.72 v1(156.53,45.72) ; GMUX2.10 86.36,88.11 85.41,89.06 85.41,93.34 v1(85.57,93.5) ; v1(172.72,92.87) 172.72,95.57 170.5,97.79 AUDIOSLOT0.23 168.28,97.79 167.48,98.58 167.48,101.76 171.29,105.57 172.24,105.57 173.2,106.52 173.2,108.43 175.26,110.49 175.26,115.89 174.15,117 173.99,117 172.88,118.11 170.66,118.11 168.12,120.65 v1(168.12,124.3) ; v1(175.42,78.42) 176.37,77.47 176.37,56.67 v1(173.83,54.13)
A10: length 309.1
  Top w0.152: v1(89.22,101.6) 88.58,100.96 v1(85.57,100.96) ; v1(97.95,101.76) 97.79,101.92 v1(95.41,101.92) ; v1(56.52,93.66) 57.15,93.66 57.47,93.98 65.09,93.98 v1(66.04,93.03) ; v1(162.88,91.44) 165.1,91.44 166.69,93.03 167.32,93.03 168.59,94.3 168.91,94.3 169.39,94.77 169.39,98.27 170.18,99.06 AUDIOSLOT0.22 170.34,99.06 171.13,99.85 v1(171.13,103.98) 170.97,104.14 170.97,105.25 166.21,110.01 v1(164.15,110.01) ; v1(175.42,109.22) 175.74,109.54 v1(175.74,118.43) ; v1(124.46,104.14) 116.05,104.14 115.57,104.62 v1(115.57,105.57) ; v1(99.85,101.76) 104.93,101.76 106.04,100.65 110.65,100.65 v1(112.55,102.55) ; v1(46.36,93.66) v1(45.08,92.39) ; v1(150.65,69.06) 151.76,67.94 v1(151.76,61.28) ; v1(85.25,103.35) 84.93,103.66 v1(83.19,103.66) ; v1(81.28,93.34) 81.28,95.73 80.33,96.68 80.33,102.87 v1(80.96,103.5) ; v1(151.61,101.76) 151.61,102.87 v1(156.37,107.63) ; v1(161.77,110.01) 161.45,110.33 159.54,110.33 158.59,109.38 v1(158.59,105.41)
  In1.Cu w0.152: v1(151.76,61.28) v1(149.38,58.9) ; v1(115.57,105.57) v1(112.55,102.55)
  In2.Cu w0.152: v1(162.88,91.44) 159.38,87.95 158.91,87.95 155.26,84.3 v1(154.46,84.3) ; v1(92.39,101.6) v1(89.22,101.6)
  Bottom w0.152: v1(171.13,103.98) 171.61,103.98 173.83,106.2 173.83,107.63 v1(175.42,109.22) ; 78.74,88.11 GMUX2.13 ; 78.74,88.11 70.96,88.11 v1(66.04,93.03) ; 78.74,88.11 80.33,89.69 80.33,91.28 81.28,92.23 v1(81.28,93.34) ; VMUX2.13 37.47,92.07 44.77,92.07 v1(45.08,92.39) ; v1(149.38,58.9) 147.48,58.9 147.16,58.58 147.16,42.7 143.99,39.53 143.03,39.53 142.4,40.16 142.4,41.12 143.51,42.23 U1.19 ; v1(151.61,101.76) 150.34,101.76 146.53,97.95 144.62,97.95 142.24,95.57 133.03,95.57 v1(124.46,104.14) ; v1(95.41,101.92) 95.09,101.6 v1(92.39,101.6) ; v1(83.19,103.66) 82.55,104.3 80.96,104.3 ; 80.96,104.3 80.96,106.2 81.44,106.68 81.44,107 85.09,110.65 U$3.P$26 ; 80.96,104.3 v1(80.96,103.5) ; v1(56.52,93.66) 54.93,93.66 54.61,93.98 48.89,93.98 48.58,93.66 v1(46.36,93.66) ; v1(175.74,118.43) 176.05,118.75 176.05,121.92 171.45,126.52 U$5.21 ; v1(158.59,105.41) v1(156.37,107.63) ; v1(150.65,69.06) 150.65,78.58 150.97,78.9 150.97,80.8 v1(154.46,84.3) ; v1(164.15,110.01) v1(161.77,110.01) ; v1(85.25,103.35) 85.25,101.28 v1(85.57,100.96) ; v1(99.85,101.76) v1(97.95,101.76)
A11: length 271.4
  Top w0.152: v1(141.29,80.8) 138.91,83.18 138.91,85.57 141.29,87.95 v1(141.45,87.95) ; v1(66.99,93.03) 65.72,94.3 56.2,94.3 VMUX3.3 ; v1(130.81,95.88) 130.81,96.04 125.25,101.6 v1(124.3,101.6) ; v1(78.1,109.54) 76.52,109.54 74.77,107.79 74.61,107.79 73.82,107 73.82,105.25 v1(69.85,101.28) ; v1(96.52,122.08) 96.52,122.55 95.57,123.51 92.23,123.51 91.6,124.14 87.47,124.14 84.14,120.81 84.14,118.59 79.22,113.66 v1(78.42,113.66) ; v1(145.73,67.47) v1(150.65,62.55) ; v1(162.24,97.63) 163.04,97.63 164.78,99.38 165.42,99.38 166.37,100.33 AUDIOSLOT0.21 ; v1(100.81,123.03) 102.55,121.28 v1(107.95,121.28) ; v1(140.02,91.12) v1(140.02,89.38) ; v1(118.9,106.2) v1(114.94,110.17)
  Bottom w0.152: v1(78.1,109.54) 80.01,111.44 U$3.P$24 80.01,112.08 v1(78.42,113.66) ; 140.02,91.44 TOPDECODER0.14 135.73,91.44 131.29,95.88 v1(130.81,95.88) ; 140.02,91.44 v1(140.02,91.12) ; 140.02,91.44 153.35,91.44 159.54,97.63 v1(162.24,97.63) ; 69.85,93.34 73.03,93.34 GMUX3.3 ; 69.85,93.34 v1(69.85,101.28) ; 69.85,93.34 68.26,93.34 67.94,93.03 v1(66.99,93.03) ; v1(124.3,101.6) 119.54,101.6 118.27,102.87 118.27,104.3 118.9,104.93 v1(118.9,106.2) ; AUDIOSLOT0.21 168.43,100.33 176.37,108.27 176.37,126.68 171.45,131.6 U$5.23 ; v1(141.29,80.8) 141.29,76.83 143.03,75.09 143.67,75.09 145.73,73.02 v1(145.73,67.47) ; v1(96.52,122.08) 97.31,122.08 98.27,123.03 v1(100.81,123.03) ; v1(150.65,62.55) 150.18,62.55 146.37,58.74 146.37,44.45 143.51,41.59 U1.20 ; v1(140.02,89.38) v1(141.45,87.95) ; v1(114.94,110.17) 114.94,111.28 107.95,118.27 v1(107.95,121.28)
A12: length 279.5
  Top w0.152: v1(100.65,116.2) 103.82,116.2 104.78,115.25 v1(107.47,115.25) ; TOPDECODER0.13 135.73,89.06 v1(132.87,89.06) ; v1(122.24,100.81) 120.33,98.9 v1(120.33,94.61) ; v1(114.3,110.97) 114.3,107.79 v1(117.32,104.77) ; GMUX3.6 82.23,91.76 80.01,91.76 ; v1(89.69,109.22) 88.11,109.22 87.79,109.54 85.88,109.54 84.3,107.95 v1(81.28,107.95) ; 80.01,91.76 61.75,91.76 60.17,90.17 VMUX3.6 ; 80.01,91.76 v1(80.01,103.66) ; v1(172.4,72.55) 172.4,69.53 170.5,67.63 170.5,65.09 169.86,64.45 169.86,62.39 164.94,57.47 163.35,57.47 161.93,56.04 161.93,47.31 158.75,44.13 U1.22 ; v1(95.41,115.73) v1(93.03,113.35) ; v1(148.11,85.25) 155.73,85.25 158.59,82.39 159.23,82.39 163.67,77.95 163.67,76.99 164.47,76.2 AUDIOSLOT0.20
  Bottom w0.152: v1(89.69,109.22) 89.69,109.54 91.6,111.44 91.6,111.92 v1(93.03,113.35) ; v1(80.01,103.66) U$3.P$6 v1(81.28,107.95) ; 172.4,79.38 176.69,83.66 176.69,131.44 172.56,135.57 170.97,135.57 164.31,142.24 U$5.2 ; 172.4,79.38 v1(172.4,72.55) ; 172.4,79.38 170.18,77.15 169.54,77.15 168.91,76.52 166.85,76.52 166.53,76.2 AUDIOSLOT0.20 ; v1(100.65,116.2) 98.11,116.2 97.63,115.73 v1(95.41,115.73) ; v1(107.47,115.25) 110.01,115.25 v1(114.3,110.97) ; v1(132.87,89.06) 132.24,89.06 131.44,89.85 123.98,89.85 120.33,93.5 v1(120.33,94.61) ; v1(122.24,100.81) 119.86,100.81 117.32,103.35 v1(117.32,104.77) ; TOPDECODER0.13 139.38,88.9 143.03,85.25 v1(148.11,85.25)
A13: length 178
  Top w0.152: 67.31,111.44 U$3.P$19 ; 67.31,111.44 62.23,106.36 VMUX3.10 ; 67.31,111.44 68.26,111.44 69.22,110.49 83.03,110.49 83.66,111.12 83.66,111.6 84.93,112.87 v1(86.36,112.87) ; v1(150.34,84.61) 153.19,84.61 157.96,79.85 159.38,79.85 162.56,76.68 v1(162.56,76.52) 162.56,68.26 159.23,64.93 158.59,64.93 157.32,63.66 157.32,59.69 156.53,58.9 v1(156.53,56.36) ; v1(89.38,100.17) 86.36,100.17 ; 86.36,100.17 v1(86.36,100.33) ; 86.36,100.17 GMUX3.10 ; v1(111.12,100.17) v1(94.93,100.17)
  Bottom w0.152: v1(150.34,84.61) 144.46,90.49 131.76,90.49 TOPDECODER0.2 127,95.25 120.33,95.25 115.41,100.17 v1(111.12,100.17) ; v1(94.93,100.17) 93.66,98.9 93.03,98.9 91.76,100.17 v1(89.38,100.17) ; U1.23 158.75,46.67 159.86,47.78 159.86,53.82 158.91,54.77 158.12,54.77 v1(156.53,56.36) ; v1(162.56,76.52) 163.51,76.52 164.47,77.47 AUDIOSLOT0.19 ; v1(86.36,100.33) 86.36,100.65 87.31,101.6 87.31,105.57 86.52,106.36 86.52,108.43 86.36,108.58 v1(86.36,112.87)
A14: length 105.8
  Top w0.152: v1(122.08,95.88) 122.4,95.57 ; 122.4,95.57 124.94,95.57 126.05,94.46 126.05,94.14 128.27,91.92 TOPDECODER0.3 ; 122.4,95.57 v1(122.4,84.93) ; v1(152.56,51.28) 155.57,48.26 U1.24 ; v1(122.4,82.55) 122.71,82.23 129.38,82.23 130.65,80.96 v1(130.65,78.1) ; v1(149.07,60.48) 146.69,60.48 146.53,60.32 145.73,60.32 143.67,62.39 142.72,62.39 132.24,72.87 v1(132.24,76.52)
  Bottom w0.152: v1(149.07,60.48) 149.07,60.32 152.56,56.83 v1(152.56,51.28) ; U$3.P$33 102.87,110.65 106.52,107 106.52,106.68 107.63,105.57 110.49,105.57 120.17,95.88 v1(122.08,95.88) ; v1(130.65,78.1) v1(132.24,76.52) ; v1(122.4,84.93) v1(122.4,82.55)
